# Altium PCB PCB2.PcbDoc (part 8 of 16)
Units mil, origin at the board's own origin, x right, y up, seen from the top; angles counter-clockwise.
Board outline 9200.79 x 4350.6 mil, 4 copper layers (Top Layer, Layer 1, Layer 2, Bottom Layer), stack 23.756 mil thick; 1249 components, 1355 nets, 4549 pads, 1316 vias.
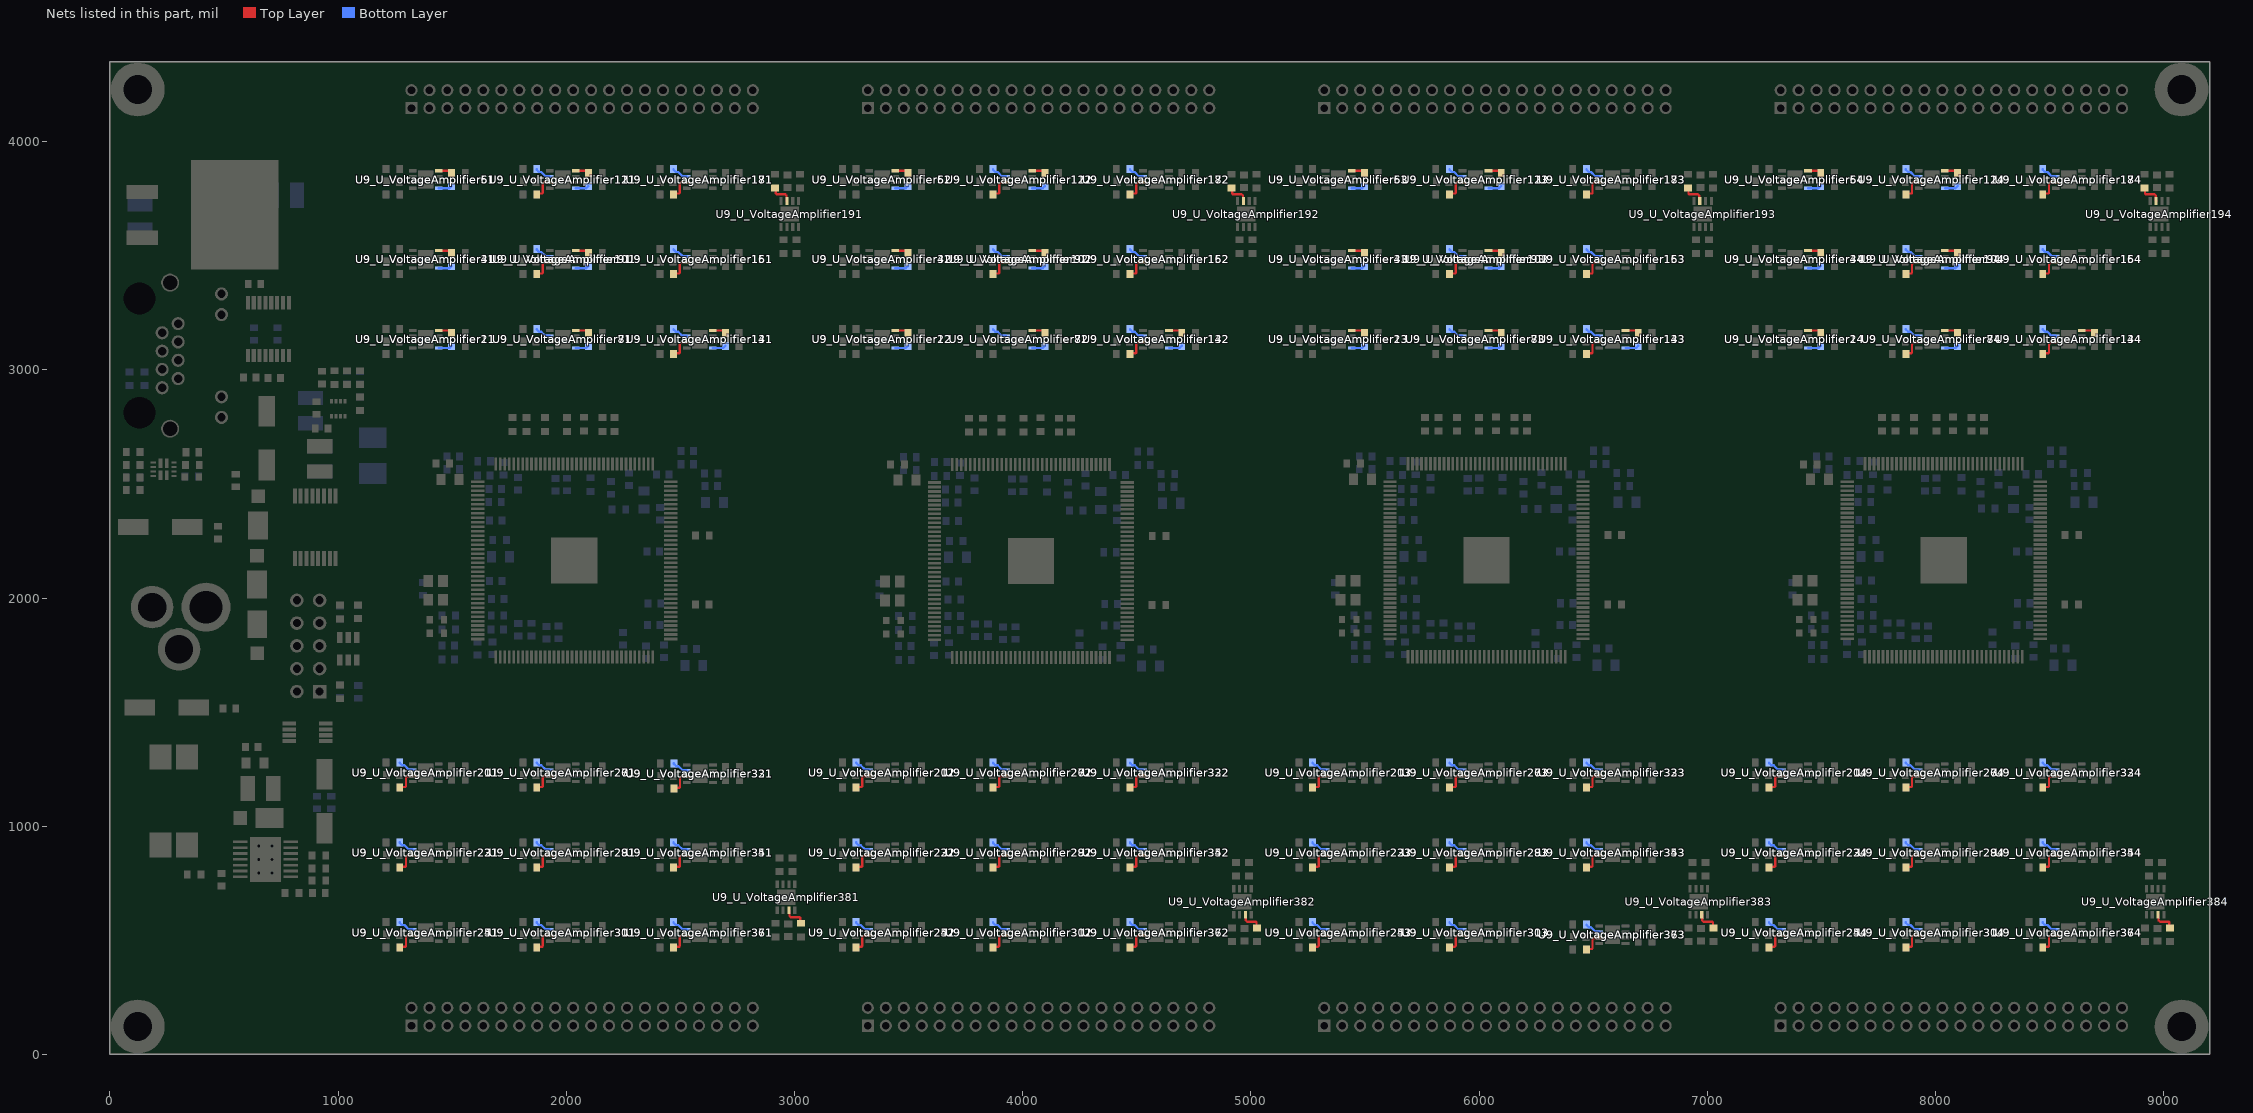
[diagram p10: the nets of this part, all layers, seen from the top]

## Via types
v1: diameter 24, hole 12, Top Layer to Bottom Layer, 1316 vias

## Nets (pads, with @x,y where several pads share a name; then routed paths per layer and width w, separated by ;. In a path a pad name is that pad's centre, name@x,y a point inside that pad or via, vN(x,y) a via of type N, cw(c..) or ccw(c..) an arc to the next point about the centre after c; other vN are vias at no path point) (continued)
NetR27_U_VoltageAmplifier74_1: R27_U_VoltageAmplifier74.1 U9_U_VoltageAmplifier74.7 | length 101
  Top Layer w10: R27_U_VoltageAmplifier74.1@7870.09,3069.18 7873.09,3072.18 7894.23,3072.18 7897.09,3075.04 7897.09,3113.43 7902.94,3119.29 7925.2,3119.29 U9_U_VoltageAmplifier74.7@7927.09,3121.18
NetR27_U_VoltageAmplifier81_1: R27_U_VoltageAmplifier81.1 U9_U_VoltageAmplifier81.7 | length 71.9
  Bottom Layer w10: R27_U_VoltageAmplifier81.1@1870.09,3179.18 1870.09,3176.68 1880.09,3166.68 1890.53,3166.68 1908.55,3148.66 1925.2,3148.66 U9_U_VoltageAmplifier81.7@1927.09,3146.77
NetR27_U_VoltageAmplifier82_1: R27_U_VoltageAmplifier82.1 U9_U_VoltageAmplifier82.7 | length 71.9
  Bottom Layer w10: R27_U_VoltageAmplifier82.1@3870.09,3179.18 3870.09,3176.68 3880.09,3166.68 3890.53,3166.68 3908.55,3148.66 3925.2,3148.66 U9_U_VoltageAmplifier82.7@3927.09,3146.77
NetR27_U_VoltageAmplifier83_1: R27_U_VoltageAmplifier83.1 U9_U_VoltageAmplifier83.7 | length 71.9
  Bottom Layer w10: R27_U_VoltageAmplifier83.1@5870.09,3179.18 5870.09,3176.68 5880.09,3166.68 5890.53,3166.68 5908.55,3148.66 5925.2,3148.66 U9_U_VoltageAmplifier83.7@5927.09,3146.77
NetR27_U_VoltageAmplifier84_1: R27_U_VoltageAmplifier84.1 U9_U_VoltageAmplifier84.7 | length 71.9
  Bottom Layer w10: R27_U_VoltageAmplifier84.1@7870.09,3179.18 7870.09,3176.68 7880.09,3166.68 7890.53,3166.68 7908.55,3148.66 7925.2,3148.66 U9_U_VoltageAmplifier84.7@7927.09,3146.77
NetR27_U_VoltageAmplifier91_1: R27_U_VoltageAmplifier91.1 U9_U_VoltageAmplifier91.7 | length 101
  Top Layer w10: R27_U_VoltageAmplifier91.1@1870.09,3419.18 1873.09,3422.18 1894.23,3422.18 1897.09,3425.04 1897.09,3463.43 1902.94,3469.29 1925.2,3469.29 U9_U_VoltageAmplifier91.7@1927.09,3471.18
NetR27_U_VoltageAmplifier92_1: R27_U_VoltageAmplifier92.1 U9_U_VoltageAmplifier92.7 | length 101
  Top Layer w10: R27_U_VoltageAmplifier92.1@3870.09,3419.18 3873.09,3422.18 3894.23,3422.18 3897.09,3425.04 3897.09,3463.43 3902.94,3469.29 3925.2,3469.29 U9_U_VoltageAmplifier92.7@3927.09,3471.18
NetR27_U_VoltageAmplifier93_1: R27_U_VoltageAmplifier93.1 U9_U_VoltageAmplifier93.7 | length 101
  Top Layer w10: R27_U_VoltageAmplifier93.1@5870.09,3419.18 5873.09,3422.18 5894.23,3422.18 5897.09,3425.04 5897.09,3463.43 5902.94,3469.29 5925.2,3469.29 U9_U_VoltageAmplifier93.7@5927.09,3471.18
NetR27_U_VoltageAmplifier94_1: R27_U_VoltageAmplifier94.1 U9_U_VoltageAmplifier94.7 | length 101
  Top Layer w10: R27_U_VoltageAmplifier94.1@7870.09,3419.18 7873.09,3422.18 7894.23,3422.18 7897.09,3425.04 7897.09,3463.43 7902.94,3469.29 7925.2,3469.29 U9_U_VoltageAmplifier94.7@7927.09,3471.18
NetR27_U_VoltageAmplifier101_1: R27_U_VoltageAmplifier101.1 U9_U_VoltageAmplifier101.7 | length 71.9
  Bottom Layer w10: R27_U_VoltageAmplifier101.1@1870.09,3529.18 1870.09,3526.68 1880.09,3516.68 1890.53,3516.68 1908.55,3498.66 1925.2,3498.66 U9_U_VoltageAmplifier101.7@1927.09,3496.77
NetR27_U_VoltageAmplifier102_1: R27_U_VoltageAmplifier102.1 U9_U_VoltageAmplifier102.7 | length 71.9
  Bottom Layer w10: R27_U_VoltageAmplifier102.1@3870.09,3529.18 3870.09,3526.68 3880.09,3516.68 3890.53,3516.68 3908.55,3498.66 3925.2,3498.66 U9_U_VoltageAmplifier102.7@3927.09,3496.77
NetR27_U_VoltageAmplifier103_1: R27_U_VoltageAmplifier103.1 U9_U_VoltageAmplifier103.7 | length 71.9
  Bottom Layer w10: R27_U_VoltageAmplifier103.1@5870.09,3529.18 5870.09,3526.68 5880.09,3516.68 5890.53,3516.68 5908.55,3498.66 5925.2,3498.66 U9_U_VoltageAmplifier103.7@5927.09,3496.77
NetR27_U_VoltageAmplifier104_1: R27_U_VoltageAmplifier104.1 U9_U_VoltageAmplifier104.7 | length 71.9
  Bottom Layer w10: R27_U_VoltageAmplifier104.1@7870.09,3529.18 7870.09,3526.68 7880.09,3516.68 7890.53,3516.68 7908.55,3498.66 7925.2,3498.66 U9_U_VoltageAmplifier104.7@7927.09,3496.77
NetR27_U_VoltageAmplifier111_1: R27_U_VoltageAmplifier111.1 U9_U_VoltageAmplifier111.7 | length 101
  Top Layer w10: R27_U_VoltageAmplifier111.1@1870.09,3769.18 1873.09,3772.18 1894.23,3772.18 1897.09,3775.04 1897.09,3813.43 1902.94,3819.29 1925.2,3819.29 U9_U_VoltageAmplifier111.7@1927.09,3821.18
NetR27_U_VoltageAmplifier112_1: R27_U_VoltageAmplifier112.1 U9_U_VoltageAmplifier112.7 | length 101
  Top Layer w10: R27_U_VoltageAmplifier112.1@3870.09,3769.18 3873.09,3772.18 3894.23,3772.18 3897.09,3775.04 3897.09,3813.43 3902.94,3819.29 3925.2,3819.29 U9_U_VoltageAmplifier112.7@3927.09,3821.18
NetR27_U_VoltageAmplifier113_1: R27_U_VoltageAmplifier113.1 U9_U_VoltageAmplifier113.7 | length 101
  Top Layer w10: R27_U_VoltageAmplifier113.1@5870.09,3769.18 5873.09,3772.18 5894.23,3772.18 5897.09,3775.04 5897.09,3813.43 5902.94,3819.29 5925.2,3819.29 U9_U_VoltageAmplifier113.7@5927.09,3821.18
NetR27_U_VoltageAmplifier114_1: R27_U_VoltageAmplifier114.1 U9_U_VoltageAmplifier114.7 | length 101
  Top Layer w10: R27_U_VoltageAmplifier114.1@7870.09,3769.18 7873.09,3772.18 7894.23,3772.18 7897.09,3775.04 7897.09,3813.43 7902.94,3819.29 7925.2,3819.29 U9_U_VoltageAmplifier114.7@7927.09,3821.18
NetR27_U_VoltageAmplifier121_1: R27_U_VoltageAmplifier121.1 U9_U_VoltageAmplifier121.7 | length 71.9
  Bottom Layer w10: R27_U_VoltageAmplifier121.1@1870.09,3879.18 1870.09,3876.68 1880.09,3866.68 1890.53,3866.68 1908.55,3848.66 1925.2,3848.66 U9_U_VoltageAmplifier121.7@1927.09,3846.77
NetR27_U_VoltageAmplifier122_1: R27_U_VoltageAmplifier122.1 U9_U_VoltageAmplifier122.7 | length 71.9
  Bottom Layer w10: R27_U_VoltageAmplifier122.1@3870.09,3879.18 3870.09,3876.68 3880.09,3866.68 3890.53,3866.68 3908.55,3848.66 3925.2,3848.66 U9_U_VoltageAmplifier122.7@3927.09,3846.77
NetR27_U_VoltageAmplifier123_1: R27_U_VoltageAmplifier123.1 U9_U_VoltageAmplifier123.7 | length 71.9
  Bottom Layer w10: R27_U_VoltageAmplifier123.1@5870.09,3879.18 5870.09,3876.68 5880.09,3866.68 5890.53,3866.68 5908.55,3848.66 5925.2,3848.66 U9_U_VoltageAmplifier123.7@5927.09,3846.77
NetR27_U_VoltageAmplifier124_1: R27_U_VoltageAmplifier124.1 U9_U_VoltageAmplifier124.7 | length 71.9
  Bottom Layer w10: R27_U_VoltageAmplifier124.1@7870.09,3879.18 7870.09,3876.68 7880.09,3866.68 7890.53,3866.68 7908.55,3848.66 7925.2,3848.66 U9_U_VoltageAmplifier124.7@7927.09,3846.77
NetR27_U_VoltageAmplifier131_1: R27_U_VoltageAmplifier131.1 U9_U_VoltageAmplifier131.7 | length 101
  Top Layer w10: R27_U_VoltageAmplifier131.1@2470.09,3069.18 2473.09,3072.18 2494.23,3072.18 2497.09,3075.04 2497.09,3113.43 2502.94,3119.29 2525.2,3119.29 U9_U_VoltageAmplifier131.7@2527.09,3121.18
NetR27_U_VoltageAmplifier132_1: R27_U_VoltageAmplifier132.1 U9_U_VoltageAmplifier132.7 | length 101
  Top Layer w10: R27_U_VoltageAmplifier132.1@4470.09,3069.18 4473.09,3072.18 4494.23,3072.18 4497.09,3075.04 4497.09,3113.43 4502.94,3119.29 4525.2,3119.29 U9_U_VoltageAmplifier132.7@4527.09,3121.18
NetR27_U_VoltageAmplifier133_1: R27_U_VoltageAmplifier133.1 U9_U_VoltageAmplifier133.7 | length 101
  Top Layer w10: R27_U_VoltageAmplifier133.1@6470.09,3069.18 6473.09,3072.18 6494.23,3072.18 6497.09,3075.04 6497.09,3113.43 6502.94,3119.29 6525.2,3119.29 U9_U_VoltageAmplifier133.7@6527.09,3121.18
NetR27_U_VoltageAmplifier134_1: R27_U_VoltageAmplifier134.1 U9_U_VoltageAmplifier134.7 | length 101
  Top Layer w10: R27_U_VoltageAmplifier134.1@8470.09,3069.18 8473.09,3072.18 8494.23,3072.18 8497.09,3075.04 8497.09,3113.43 8502.94,3119.29 8525.2,3119.29 U9_U_VoltageAmplifier134.7@8527.09,3121.18
NetR27_U_VoltageAmplifier141_1: R27_U_VoltageAmplifier141.1 U9_U_VoltageAmplifier141.7 | length 71.9
  Bottom Layer w10: R27_U_VoltageAmplifier141.1@2470.09,3179.18 2470.09,3176.68 2480.09,3166.68 2490.53,3166.68 2508.55,3148.66 2525.2,3148.66 U9_U_VoltageAmplifier141.7@2527.09,3146.77
NetR27_U_VoltageAmplifier142_1: R27_U_VoltageAmplifier142.1 U9_U_VoltageAmplifier142.7 | length 71.9
  Bottom Layer w10: R27_U_VoltageAmplifier142.1@4470.09,3179.18 4470.09,3176.68 4480.09,3166.68 4490.53,3166.68 4508.55,3148.66 4525.2,3148.66 U9_U_VoltageAmplifier142.7@4527.09,3146.77
NetR27_U_VoltageAmplifier143_1: R27_U_VoltageAmplifier143.1 U9_U_VoltageAmplifier143.7 | length 71.9
  Bottom Layer w10: R27_U_VoltageAmplifier143.1@6470.09,3179.18 6470.09,3176.68 6480.09,3166.68 6490.53,3166.68 6508.55,3148.66 6525.2,3148.66 U9_U_VoltageAmplifier143.7@6527.09,3146.77
NetR27_U_VoltageAmplifier144_1: R27_U_VoltageAmplifier144.1 U9_U_VoltageAmplifier144.7 | length 71.9
  Bottom Layer w10: R27_U_VoltageAmplifier144.1@8470.09,3179.18 8470.09,3176.68 8480.09,3166.68 8490.53,3166.68 8508.55,3148.66 8525.2,3148.66 U9_U_VoltageAmplifier144.7@8527.09,3146.77
NetR27_U_VoltageAmplifier151_1: R27_U_VoltageAmplifier151.1 U9_U_VoltageAmplifier151.7 | length 101
  Top Layer w10: R27_U_VoltageAmplifier151.1@2470.09,3419.18 2473.09,3422.18 2494.23,3422.18 2497.09,3425.04 2497.09,3463.43 2502.94,3469.29 2525.2,3469.29 U9_U_VoltageAmplifier151.7@2527.09,3471.18
NetR27_U_VoltageAmplifier152_1: R27_U_VoltageAmplifier152.1 U9_U_VoltageAmplifier152.7 | length 101
  Top Layer w10: R27_U_VoltageAmplifier152.1@4470.09,3419.18 4473.09,3422.18 4494.23,3422.18 4497.09,3425.04 4497.09,3463.43 4502.94,3469.29 4525.2,3469.29 U9_U_VoltageAmplifier152.7@4527.09,3471.18
NetR27_U_VoltageAmplifier153_1: R27_U_VoltageAmplifier153.1 U9_U_VoltageAmplifier153.7 | length 101
  Top Layer w10: R27_U_VoltageAmplifier153.1@6470.09,3419.18 6473.09,3422.18 6494.23,3422.18 6497.09,3425.04 6497.09,3463.43 6502.94,3469.29 6525.2,3469.29 U9_U_VoltageAmplifier153.7@6527.09,3471.18
NetR27_U_VoltageAmplifier154_1: R27_U_VoltageAmplifier154.1 U9_U_VoltageAmplifier154.7 | length 101
  Top Layer w10: R27_U_VoltageAmplifier154.1@8470.09,3419.18 8473.09,3422.18 8494.23,3422.18 8497.09,3425.04 8497.09,3463.43 8502.94,3469.29 8525.2,3469.29 U9_U_VoltageAmplifier154.7@8527.09,3471.18
NetR27_U_VoltageAmplifier161_1: R27_U_VoltageAmplifier161.1 U9_U_VoltageAmplifier161.7 | length 71.9
  Bottom Layer w10: R27_U_VoltageAmplifier161.1@2470.09,3529.18 2470.09,3526.68 2480.09,3516.68 2490.53,3516.68 2508.55,3498.66 2525.2,3498.66 U9_U_VoltageAmplifier161.7@2527.09,3496.77
NetR27_U_VoltageAmplifier162_1: R27_U_VoltageAmplifier162.1 U9_U_VoltageAmplifier162.7 | length 71.9
  Bottom Layer w10: R27_U_VoltageAmplifier162.1@4470.09,3529.18 4470.09,3526.68 4480.09,3516.68 4490.53,3516.68 4508.55,3498.66 4525.2,3498.66 U9_U_VoltageAmplifier162.7@4527.09,3496.77
NetR27_U_VoltageAmplifier163_1: R27_U_VoltageAmplifier163.1 U9_U_VoltageAmplifier163.7 | length 71.9
  Bottom Layer w10: R27_U_VoltageAmplifier163.1@6470.09,3529.18 6470.09,3526.68 6480.09,3516.68 6490.53,3516.68 6508.55,3498.66 6525.2,3498.66 U9_U_VoltageAmplifier163.7@6527.09,3496.77
NetR27_U_VoltageAmplifier164_1: R27_U_VoltageAmplifier164.1 U9_U_VoltageAmplifier164.7 | length 71.9
  Bottom Layer w10: R27_U_VoltageAmplifier164.1@8470.09,3529.18 8470.09,3526.68 8480.09,3516.68 8490.53,3516.68 8508.55,3498.66 8525.2,3498.66 U9_U_VoltageAmplifier164.7@8527.09,3496.77
NetR27_U_VoltageAmplifier171_1: R27_U_VoltageAmplifier171.1 U9_U_VoltageAmplifier171.7 | length 101
  Top Layer w10: R27_U_VoltageAmplifier171.1@2470.09,3769.18 2473.09,3772.18 2494.23,3772.18 2497.09,3775.04 2497.09,3813.43 2502.94,3819.29 2525.2,3819.29 U9_U_VoltageAmplifier171.7@2527.09,3821.18
NetR27_U_VoltageAmplifier172_1: R27_U_VoltageAmplifier172.1 U9_U_VoltageAmplifier172.7 | length 101
  Top Layer w10: R27_U_VoltageAmplifier172.1@4470.09,3769.18 4473.09,3772.18 4494.23,3772.18 4497.09,3775.04 4497.09,3813.43 4502.94,3819.29 4525.2,3819.29 U9_U_VoltageAmplifier172.7@4527.09,3821.18
NetR27_U_VoltageAmplifier173_1: R27_U_VoltageAmplifier173.1 U9_U_VoltageAmplifier173.7 | length 101
  Top Layer w10: R27_U_VoltageAmplifier173.1@6470.09,3769.18 6473.09,3772.18 6494.23,3772.18 6497.09,3775.04 6497.09,3813.43 6502.94,3819.29 6525.2,3819.29 U9_U_VoltageAmplifier173.7@6527.09,3821.18
NetR27_U_VoltageAmplifier174_1: R27_U_VoltageAmplifier174.1 U9_U_VoltageAmplifier174.7 | length 101
  Top Layer w10: R27_U_VoltageAmplifier174.1@8470.09,3769.18 8473.09,3772.18 8494.23,3772.18 8497.09,3775.04 8497.09,3813.43 8502.94,3819.29 8525.2,3819.29 U9_U_VoltageAmplifier174.7@8527.09,3821.18
NetR27_U_VoltageAmplifier181_1: R27_U_VoltageAmplifier181.1 U9_U_VoltageAmplifier181.7 | length 71.9
  Bottom Layer w10: R27_U_VoltageAmplifier181.1@2470.09,3879.18 2470.09,3876.68 2480.09,3866.68 2490.53,3866.68 2508.55,3848.66 2525.2,3848.66 U9_U_VoltageAmplifier181.7@2527.09,3846.77
NetR27_U_VoltageAmplifier182_1: R27_U_VoltageAmplifier182.1 U9_U_VoltageAmplifier182.7 | length 71.9
  Bottom Layer w10: R27_U_VoltageAmplifier182.1@4470.09,3879.18 4470.09,3876.68 4480.09,3866.68 4490.53,3866.68 4508.55,3848.66 4525.2,3848.66 U9_U_VoltageAmplifier182.7@4527.09,3846.77
NetR27_U_VoltageAmplifier183_1: R27_U_VoltageAmplifier183.1 U9_U_VoltageAmplifier183.7 | length 71.9
  Bottom Layer w10: R27_U_VoltageAmplifier183.1@6470.09,3879.18 6470.09,3876.68 6480.09,3866.68 6490.53,3866.68 6508.55,3848.66 6525.2,3848.66 U9_U_VoltageAmplifier183.7@6527.09,3846.77
NetR27_U_VoltageAmplifier184_1: R27_U_VoltageAmplifier184.1 U9_U_VoltageAmplifier184.7 | length 71.9
  Bottom Layer w10: R27_U_VoltageAmplifier184.1@8470.09,3879.18 8470.09,3876.68 8480.09,3866.68 8490.53,3866.68 8508.55,3848.66 8525.2,3848.66 U9_U_VoltageAmplifier184.7@8527.09,3846.77
NetR27_U_VoltageAmplifier191_1: R27_U_VoltageAmplifier191.1 U9_U_VoltageAmplifier191.7 | length 101
  Top Layer w10: R27_U_VoltageAmplifier191.1@2914.85,3796.76 2917.85,3793.76 2917.85,3772.62 2920.71,3769.76 2959.1,3769.76 2964.96,3763.91 2964.96,3741.65 U9_U_VoltageAmplifier191.7@2966.85,3739.76
NetR27_U_VoltageAmplifier192_1: R27_U_VoltageAmplifier192.1 U9_U_VoltageAmplifier192.7 | length 101
  Top Layer w10: R27_U_VoltageAmplifier192.1@4914.85,3796.76 4917.85,3793.76 4917.85,3772.62 4920.71,3769.76 4959.1,3769.76 4964.96,3763.91 4964.96,3741.65 U9_U_VoltageAmplifier192.7@4966.85,3739.76
NetR27_U_VoltageAmplifier193_1: R27_U_VoltageAmplifier193.1 U9_U_VoltageAmplifier193.7 | length 101
  Top Layer w10: R27_U_VoltageAmplifier193.1@6914.85,3796.76 6917.85,3793.76 6917.85,3772.62 6920.71,3769.76 6959.1,3769.76 6964.96,3763.91 6964.96,3741.65 U9_U_VoltageAmplifier193.7@6966.85,3739.76
NetR27_U_VoltageAmplifier194_1: R27_U_VoltageAmplifier194.1 U9_U_VoltageAmplifier194.7 | length 101
  Top Layer w10: R27_U_VoltageAmplifier194.1@8914.85,3796.76 8917.85,3793.76 8917.85,3772.62 8920.71,3769.76 8959.1,3769.76 8964.96,3763.91 8964.96,3741.65 U9_U_VoltageAmplifier194.7@8966.85,3739.76
NetR27_U_VoltageAmplifier201_1: R27_U_VoltageAmplifier201.1 U9_U_VoltageAmplifier201.7 | length 101
  Top Layer w10: R27_U_VoltageAmplifier201.1@1270.09,1169.18 1273.09,1172.18 1294.23,1172.18 1297.09,1175.04 1297.09,1213.43 1302.94,1219.29 1325.2,1219.29 U9_U_VoltageAmplifier201.7@1327.09,1221.18
NetR27_U_VoltageAmplifier202_1: R27_U_VoltageAmplifier202.1 U9_U_VoltageAmplifier202.7 | length 101
  Top Layer w10: R27_U_VoltageAmplifier202.1@3270.09,1169.18 3273.09,1172.18 3294.23,1172.18 3297.09,1175.04 3297.09,1213.43 3302.94,1219.29 3325.2,1219.29 U9_U_VoltageAmplifier202.7@3327.09,1221.18
NetR27_U_VoltageAmplifier203_1: R27_U_VoltageAmplifier203.1 U9_U_VoltageAmplifier203.7 | length 101
  Top Layer w10: R27_U_VoltageAmplifier203.1@5270.09,1169.18 5273.09,1172.18 5294.23,1172.18 5297.09,1175.04 5297.09,1213.43 5302.94,1219.29 5325.2,1219.29 U9_U_VoltageAmplifier203.7@5327.09,1221.18
NetR27_U_VoltageAmplifier204_1: R27_U_VoltageAmplifier204.1 U9_U_VoltageAmplifier204.7 | length 101
  Top Layer w10: R27_U_VoltageAmplifier204.1@7270.09,1169.18 7273.09,1172.18 7294.23,1172.18 7297.09,1175.04 7297.09,1213.43 7302.94,1219.29 7325.2,1219.29 U9_U_VoltageAmplifier204.7@7327.09,1221.18
NetR27_U_VoltageAmplifier211_1: R27_U_VoltageAmplifier211.1 U9_U_VoltageAmplifier211.7 | length 71.9
  Bottom Layer w10: R27_U_VoltageAmplifier211.1@1270.09,1279.18 1270.09,1276.68 1280.09,1266.68 1290.53,1266.68 1308.55,1248.66 1325.2,1248.66 U9_U_VoltageAmplifier211.7@1327.09,1246.77
NetR27_U_VoltageAmplifier212_1: R27_U_VoltageAmplifier212.1 U9_U_VoltageAmplifier212.7 | length 71.9
  Bottom Layer w10: R27_U_VoltageAmplifier212.1@3270.09,1279.18 3270.09,1276.68 3280.09,1266.68 3290.53,1266.68 3308.55,1248.66 3325.2,1248.66 U9_U_VoltageAmplifier212.7@3327.09,1246.77
NetR27_U_VoltageAmplifier213_1: R27_U_VoltageAmplifier213.1 U9_U_VoltageAmplifier213.7 | length 71.9
  Bottom Layer w10: R27_U_VoltageAmplifier213.1@5270.09,1279.18 5270.09,1276.68 5280.09,1266.68 5290.53,1266.68 5308.55,1248.66 5325.2,1248.66 U9_U_VoltageAmplifier213.7@5327.09,1246.77
NetR27_U_VoltageAmplifier214_1: R27_U_VoltageAmplifier214.1 U9_U_VoltageAmplifier214.7 | length 71.9
  Bottom Layer w10: R27_U_VoltageAmplifier214.1@7270.09,1279.18 7270.09,1276.68 7280.09,1266.68 7290.53,1266.68 7308.55,1248.66 7325.2,1248.66 U9_U_VoltageAmplifier214.7@7327.09,1246.77
NetR27_U_VoltageAmplifier221_1: R27_U_VoltageAmplifier221.1 U9_U_VoltageAmplifier221.7 | length 101
  Top Layer w10: R27_U_VoltageAmplifier221.1@1270.09,819.18 1273.09,822.18 1294.23,822.18 1297.09,825.04 1297.09,863.43 1302.94,869.29 1325.2,869.29 U9_U_VoltageAmplifier221.7@1327.09,871.18
NetR27_U_VoltageAmplifier222_1: R27_U_VoltageAmplifier222.1 U9_U_VoltageAmplifier222.7 | length 101
  Top Layer w10: R27_U_VoltageAmplifier222.1@3270.09,819.18 3273.09,822.18 3294.23,822.18 3297.09,825.04 3297.09,863.43 3302.94,869.29 3325.2,869.29 U9_U_VoltageAmplifier222.7@3327.09,871.18
NetR27_U_VoltageAmplifier223_1: R27_U_VoltageAmplifier223.1 U9_U_VoltageAmplifier223.7 | length 101
  Top Layer w10: R27_U_VoltageAmplifier223.1@5270.09,819.18 5273.09,822.18 5294.23,822.18 5297.09,825.04 5297.09,863.43 5302.94,869.29 5325.2,869.29 U9_U_VoltageAmplifier223.7@5327.09,871.18
NetR27_U_VoltageAmplifier224_1: R27_U_VoltageAmplifier224.1 U9_U_VoltageAmplifier224.7 | length 101
  Top Layer w10: R27_U_VoltageAmplifier224.1@7270.09,819.18 7273.09,822.18 7294.23,822.18 7297.09,825.04 7297.09,863.43 7302.94,869.29 7325.2,869.29 U9_U_VoltageAmplifier224.7@7327.09,871.18
NetR27_U_VoltageAmplifier231_1: R27_U_VoltageAmplifier231.1 U9_U_VoltageAmplifier231.7 | length 71.9
  Bottom Layer w10: R27_U_VoltageAmplifier231.1@1270.09,929.18 1270.09,926.68 1280.09,916.68 1290.53,916.68 1308.55,898.66 1325.2,898.66 U9_U_VoltageAmplifier231.7@1327.09,896.77
NetR27_U_VoltageAmplifier232_1: R27_U_VoltageAmplifier232.1 U9_U_VoltageAmplifier232.7 | length 71.9
  Bottom Layer w10: R27_U_VoltageAmplifier232.1@3270.09,929.18 3270.09,926.68 3280.09,916.68 3290.53,916.68 3308.55,898.66 3325.2,898.66 U9_U_VoltageAmplifier232.7@3327.09,896.77
NetR27_U_VoltageAmplifier233_1: R27_U_VoltageAmplifier233.1 U9_U_VoltageAmplifier233.7 | length 71.9
  Bottom Layer w10: R27_U_VoltageAmplifier233.1@5270.09,929.18 5270.09,926.68 5280.09,916.68 5290.53,916.68 5308.55,898.66 5325.2,898.66 U9_U_VoltageAmplifier233.7@5327.09,896.77
NetR27_U_VoltageAmplifier234_1: R27_U_VoltageAmplifier234.1 U9_U_VoltageAmplifier234.7 | length 71.9
  Bottom Layer w10: R27_U_VoltageAmplifier234.1@7270.09,929.18 7270.09,926.68 7280.09,916.68 7290.53,916.68 7308.55,898.66 7325.2,898.66 U9_U_VoltageAmplifier234.7@7327.09,896.77
NetR27_U_VoltageAmplifier241_1: R27_U_VoltageAmplifier241.1 U9_U_VoltageAmplifier241.7 | length 101
  Top Layer w10: R27_U_VoltageAmplifier241.1@1270.09,469.18 1273.09,472.18 1294.23,472.18 1297.09,475.04 1297.09,513.43 1302.94,519.29 1325.2,519.29 U9_U_VoltageAmplifier241.7@1327.09,521.18
NetR27_U_VoltageAmplifier242_1: R27_U_VoltageAmplifier242.1 U9_U_VoltageAmplifier242.7 | length 101
  Top Layer w10: R27_U_VoltageAmplifier242.1@3270.09,469.18 3273.09,472.18 3294.23,472.18 3297.09,475.04 3297.09,513.43 3302.94,519.29 3325.2,519.29 U9_U_VoltageAmplifier242.7@3327.09,521.18
NetR27_U_VoltageAmplifier243_1: R27_U_VoltageAmplifier243.1 U9_U_VoltageAmplifier243.7 | length 101
  Top Layer w10: R27_U_VoltageAmplifier243.1@5270.09,469.18 5273.09,472.18 5294.23,472.18 5297.09,475.04 5297.09,513.43 5302.94,519.29 5325.2,519.29 U9_U_VoltageAmplifier243.7@5327.09,521.18
NetR27_U_VoltageAmplifier244_1: R27_U_VoltageAmplifier244.1 U9_U_VoltageAmplifier244.7 | length 101
  Top Layer w10: R27_U_VoltageAmplifier244.1@7270.09,469.18 7273.09,472.18 7294.23,472.18 7297.09,475.04 7297.09,513.43 7302.94,519.29 7325.2,519.29 U9_U_VoltageAmplifier244.7@7327.09,521.18
NetR27_U_VoltageAmplifier251_1: R27_U_VoltageAmplifier251.1 U9_U_VoltageAmplifier251.7 | length 71.9
  Bottom Layer w10: R27_U_VoltageAmplifier251.1@1270.09,579.18 1270.09,576.68 1280.09,566.68 1290.53,566.68 1308.55,548.66 1325.2,548.66 U9_U_VoltageAmplifier251.7@1327.09,546.77
NetR27_U_VoltageAmplifier252_1: R27_U_VoltageAmplifier252.1 U9_U_VoltageAmplifier252.7 | length 71.9
  Bottom Layer w10: R27_U_VoltageAmplifier252.1@3270.09,579.18 3270.09,576.68 3280.09,566.68 3290.53,566.68 3308.55,548.66 3325.2,548.66 U9_U_VoltageAmplifier252.7@3327.09,546.77
NetR27_U_VoltageAmplifier253_1: R27_U_VoltageAmplifier253.1 U9_U_VoltageAmplifier253.7 | length 71.9
  Bottom Layer w10: R27_U_VoltageAmplifier253.1@5270.09,579.18 5270.09,576.68 5280.09,566.68 5290.53,566.68 5308.55,548.66 5325.2,548.66 U9_U_VoltageAmplifier253.7@5327.09,546.77
NetR27_U_VoltageAmplifier254_1: R27_U_VoltageAmplifier254.1 U9_U_VoltageAmplifier254.7 | length 71.9
  Bottom Layer w10: R27_U_VoltageAmplifier254.1@7270.09,579.18 7270.09,576.68 7280.09,566.68 7290.53,566.68 7308.55,548.66 7325.2,548.66 U9_U_VoltageAmplifier254.7@7327.09,546.77
NetR27_U_VoltageAmplifier261_1: R27_U_VoltageAmplifier261.1 U9_U_VoltageAmplifier261.7 | length 101
  Top Layer w10: R27_U_VoltageAmplifier261.1@1870.09,1169.18 1873.09,1172.18 1894.23,1172.18 1897.09,1175.04 1897.09,1213.43 1902.94,1219.29 1925.2,1219.29 U9_U_VoltageAmplifier261.7@1927.09,1221.18